# Altium PCB LKS_Motor_0313.PcbDoc
Units mil, origin at the board's own origin, x right, y up, seen from the top; angles counter-clockwise.
Board outline 4321.51 x 591.52 mil, 2 copper layers (Top Layer, Bottom Layer); 107 components, 73 nets, 326 pads, 191 vias.
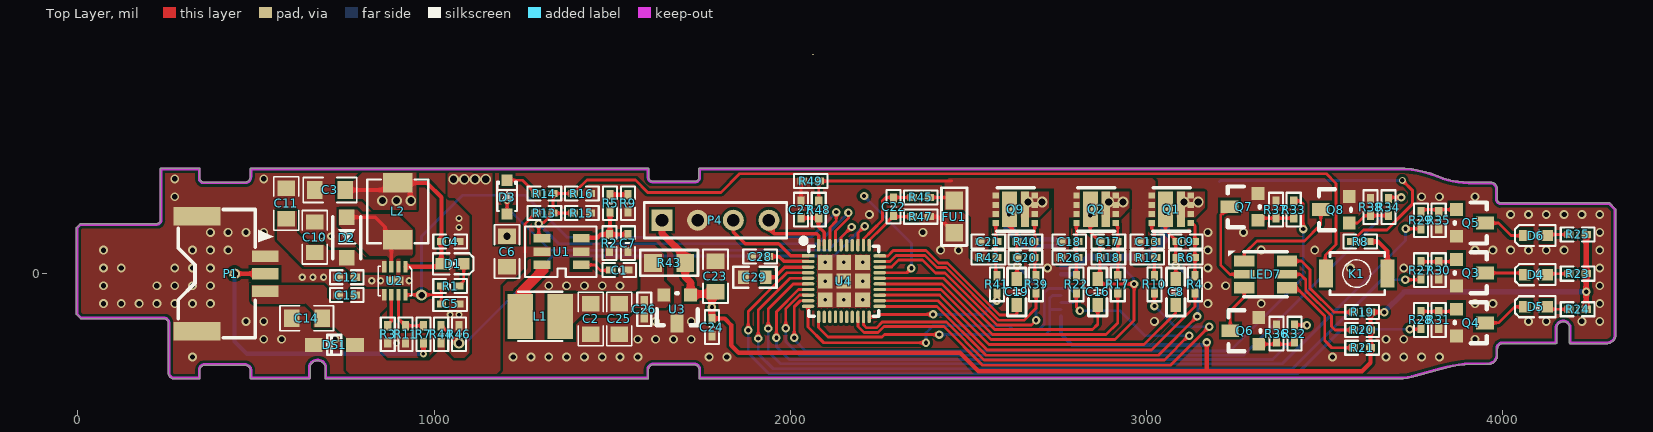
[diagram p0: Top Layer view]
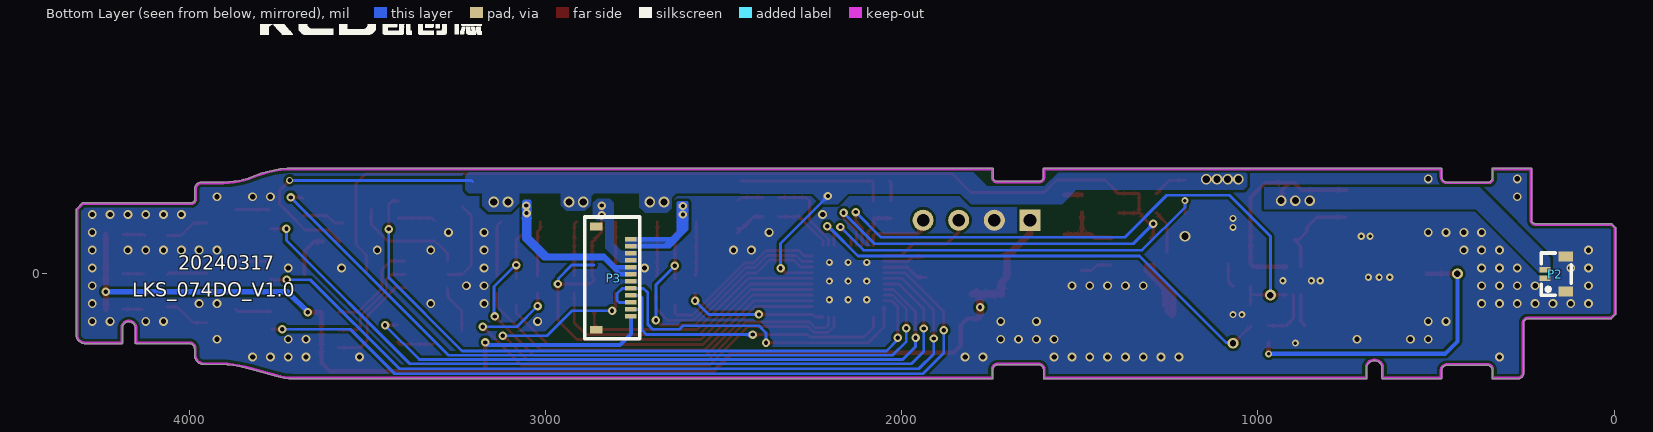
[diagram p1: Bottom Layer view, seen from below]
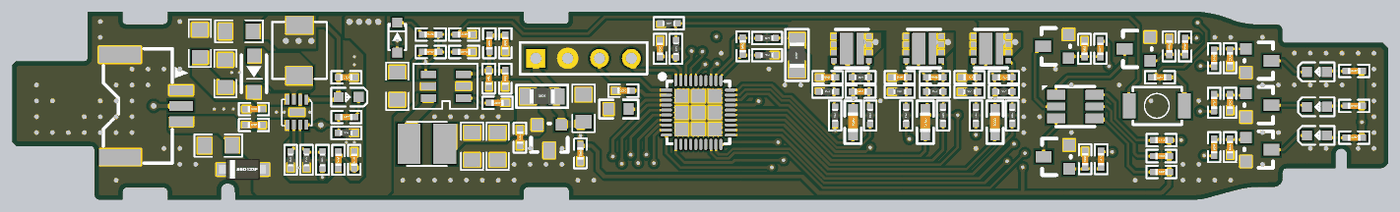
[diagram p2: 3D render of the assembled board from above, using the file's embedded part models]

## Layer stack, top to bottom
Top Solder: solder mask 0.4, Solder Resist, Dk 3.5
Top Layer: signal copper 1.4
Dielectric1: core 12.6, FR-4, Dk 4.8
Bottom Layer: signal copper 1.4
Bottom Solder: solder mask 0.4, Solder Resist, Dk 3.5

## Board outline
340.79,-295.23 ccw(c340.79,-293.25) 342.78,-293.25 342.78,-270.05 cw(c355.82,-270.05) 355.82,-257.01 469.32,-257.01 cw(c469.32,-271.91) 484.23,-271.91 484.23,-293.25 ccw(c486.21,-293.25) 486.21,-295.23 649.96,-295.23 ccw(c649.96,-293.25) 651.94,-293.25 651.94,-259.1 cw(c672.98,-266.47) 694.02,-259.1 694.02,-293.25 ccw(c696,-293.25) 696,-295.23 1599.85,-295.23 ccw(c1599.85,-293.25) 1601.84,-293.25 1601.84,-269.29 cw(c1615.4,-269.32) 1615.37,-255.76 1730.9,-255.76 cw(c1730.9,-268.67) 1743.81,-268.67 1743.81,-293.3 ccw(c1745.79,-293.3) 1745.79,-295.29 3708.08,-295.29 ccw(c3708.08,-293.3) 3708.1,-295.29 ccw(c3706.34,-133.03) 3754.89,-287.86 3826.52,-268.29 ccw(c3826,-266.38) 3826.58,-268.27 cw(c3922.68,-590.85) 3892.14,-255.65 3955.05,-254.61 ccw(c3958.35,-227.78) 3985.04,-232.11 ccw(c3983.08,-231.79) 3985.06,-231.79 ccw(c3983.08,-231.79) 3985.06,-231.77 3985.06,-210.33 cw(c3999.33,-210.33) 3999.33,-196.07 4149.75,-196.07 ccw(c4149.75,-194.08) 4151.73,-194.08 4151.73,-148.89 cw(c4169.43,-153) 4187.14,-148.89 4187.14,-194.29 ccw(c4189.12,-194.29) 4189.12,-196.28 4293.89,-196.28 ccw(c4293.91,-194.29) 4294.1,-196.27 ccw(c4291.6,-169.92) 4317.01,-177.29 ccw(c4315.11,-176.74) 4317.09,-176.74 4317.09,180.13 ccw(c4315.11,180.13) 4316.5,181.55 4316.51,181.54 4300,198.05 4300.01,198.03 ccw(c4298.6,196.64) 4298.6,198.63 3994.41,198.63 cw(c3994.41,209.02) 3984.02,209.02 3984.02,238.48 ccw(c3965.86,238.48) 3965.86,256.65 3903.32,256.65 cw(c3910.73,520.73) 3833.14,268.19 ccw(c3692.04,-53.42) 3725.14,296.22 ccw(c3724.95,294.25) 3724.95,296.23 1744.96,296.23 ccw(c1744.96,294.25) 1742.97,294.25 1742.97,268.35 ccw(c1744.96,268.35) 1742.97,268.33 cw(c1733.77,268.35) 1733.79,259.15 cw(c1733.77,268.35) 1733.77,259.15 1614.77,259.15 cw(c1614.77,271.56) 1602.36,271.56 1602.36,294.14 ccw(c1600.38,294.14) 1600.38,296.13 485.79,296.13 ccw(c485.79,294.14) 483.81,294.14 483.81,271.08 cw(c469.79,271.08) 469.79,257.06 352.69,257.06 cw(c352.69,266.98) 342.78,266.98 342.78,294.25 ccw(c340.79,294.25) 340.79,296.23 233.92,296.23 ccw(c233.92,294.25) 231.94,294.25 231.94,150.5 cw(c221.84,150.5) 221.84,140.4 7.83,140.4 ccw(c7.83,138.41) 6.41,139.81 6.42,139.82 -3.84,129.56 -3.83,129.57 ccw(c-2.43,128.15) -4.42,128.15 -4.42,-112.73 ccw(c-2.43,-112.73) -3.84,-114.13 7.93,-125.9 ccw(c9.34,-124.5) 9.34,-126.48 241.97,-126.48 cw(c241.97,-138.74) 254.23,-138.74 254.23,-278.75 ccw(c270.72,-278.75) 270.72,-295.23

## Design rules (kind name [scope] priority, off if disabled: settings)
Clearance [All] p1: gap=5 ignorepadtopadclearanceinfootprint=TRUE except(8: Arc-Fill Arc-Poly Arc-Region Track-Fill Track-Poly Track-Region SMDPad-Fill SMDPad-Poly SMDPad-Region THPad-Fill THPad-Poly THPad-Region Via-Fill Via-Poly Via-Region Fill-Fill Fill-Poly Fill-Region Poly-Poly Poly-Region Region-Region)
ComponentClearance [All] p1 off: gap=10 collisioncheckmode=3 verticalgap=10 showdistances=FALSE
FabricationTestpoint [(IsPad And (OnTopLayer Or OnBottomLayer))] p1: side=3 testpointundercomponent=TRUE minsize=40 maxsize=100 preferedsize=60 minholesize=0 maxholesize=40 preferedholesize=32 testpointgrid=1 allowsidetop=TRUE allowsidebottom=TRUE usegrid=TRUE gridtolerance=0.01
HoleSize [All] p1: absolutevalues=TRUE maxlimit=200 minlimit=1 maxpercent=80.000 minpercent=20.000
HoleToHoleClearance [All] p1: gap=5 allowstackedmicrovias=TRUE
MinimumSolderMaskSliver [All] p1 off: minsoldermaskwidth=5
PlaneClearance [All] p1: clearance=7
PlaneConnect [All] p1: planeconnectstyle=Direct reliefexpansion=20 reliefentries=4 reliefconductorwidth=10 reliefairgap=10
PolygonConnect [All] p1: connectstyle=Direct reliefconductorwidth=10 reliefentries=4 polygonreliefangle="90 Angle" airgapwidth=10
RoutingVias [All] p1: holewidth=18 width=30 viastyle="Through Hole" minholewidth=11.81 minwidth=19.68 maxholewidth=39.37 maxwidth=78.74
SilkToSilkClearance [All] p1 off: silktosilkclearance=0
SilkToSolderMaskClearance SilkscreenOverComponentPads [IsPad] p1 off: minsilkscreentomaskgap=5 clearancetoexposedcopper=TRUE
SolderMaskExpansion [All] p1: expansion=4 istentingtop=FALSE
Width [All] p1: maxlimit=100 minlimit=5 preferedwidth=8
21 further rules are at their usual default settings.

## Components (designator, comment, footprint, x,y, rotation, side; value= is the part's Value field where it differs from the comment)
C1 "1uF/16V" "C 0402_M" 1520,10 r180 top
C2 "10uF/16V" 0805C 1440,-130 r90 top
C3 "22uF/25V" 0805C 705,235 r0 top
C4 "1uF/25V" "C 0402_M" 1045,90 r0 top
C5 "103" "R 0402_M" 1045,-85 r180 top
C6 "10uF/16V" 0805C 1205,65 r270 top
C7 "10pF/16V" "C 0402_M" 1544,86.06 r270 top
C8 "4.7uF/25V" "C 0603_M" 3081.87,-51.26 r270 top
C9 "1nF" "C 0402_M" 3110,90 r0 top
C10 "22uF/25V" 0805C 665,105 r270 top
C11 "22uF/25V" 0805C 585,200 r270 top
C12 "4.7uF/25V" "C 0402_M" 755,-10 r0 top
C13 "1nF" "C 0402_M" 3001.87,90 r0 top
C14 "22uF/25V" 0805C 640,-125 r0 top
C15 "1uF/25V" "C 0402_M" 755,-60 r0 top
C16 "4.7uF/25V" "C 0603_M" 2863,-51.26 r270 top
C17 "1nF" "C 0402_M" 2893,90 r0 top
C18 "1nF" "C 0402_M" 2783,90 r0 top
C19 "4.7uF/25V" "C 0603_M" 2636.06,-51.26 r270 top
C20 "1nF" "C 0402_M" 2660,45 r0 top
C21 "1nF" "C 0402_M" 2556,90 r0 top
C22 "NC" "C 0402_M" 2290,188.03 r90 top
C23 "10uF/10V" 0805C 1790,-4.55 r270 top
C24 "100nF" "C 0402_M" 1780,-150 r270 top
C25 "10uF/10V" 0805C 1520,-130 r90 top
C26 "100nF/10V" "C 0402_M" 1590,-100 r270 top
C27 "1nF/50V" "C 0402_M" 2030,180 r270 top
C28 "100nF/50V" "C 0402_M" 1915.11,48.03 r180 top
C29 "1uF/10V" 0603 1900,-10 r0 top
D1 "LED_R" 0603-LED 1055,25 r180 top
D2 "SS34" SOD123FL 755,110 r270 top
D3 "4148" SOD-323 1205,215 r270 top
D4 "LED_R" 0603-LED 4090,0 r0 top
D5 "LED_R" 0603-LED 4090,-90 r0 top
D6 "LED_R" 0603-LED 4090,110 r0 top
DS1 "SMF12CA-MS" SOD-123F 720,-200 r0 top
FU1 "0.05R" "R 0805_M" 2460,160 r90 top
K1 "K1" Button3x4x2 3590,0 r180 top locked
L1 "6.8uH" SMD3X3 1300,-130 r180 top
L2 "4.7uH" 0420-L 895,170 r270 top
LED7 "RGB3528" SMD3528-RGB 3340,0 r180 top
P1 "Header 3" X9827WRS-3P 430,5 r270 top locked
P2 "Header 2" CONN_SMD_2P_0.6 160,0 r90 bottom locked
P3 "Header 12" SMD-12 2760,-120 r90 bottom locked
P4 "Header 4" HDR1X4 1640,150 r0 top
Q1 "CJBM3020" DFN-3X3_8 3124,142.06 r90 top
Q2 "CJBM3020" DFN-3X3_8 2913,142.06 r90 top
Q3 "J3Y" SOT-23 3870,40 r270 top
Q4 "J3Y" SOT-23 3870,-100 r270 top
Q5 "J3Y" SOT-23 3870,180 r270 top
Q6 "J3Y" SOT-23 3315,-198 r90 top
Q7 "J3Y" SOT-23 3313,150 r90 top
Q8 "J3Y" SOT-23 3569,142 r90 top
Q9 "CJBM3020" DFN-3X3_8 2686,142.06 r90 top
R1 "4.7K" "C 0402_M" 1045,-35 r0 top
R2 "2.5M" "C 0402_M" 1492.44,86.06 r90 top
R3 "510" "R 0402_M" 870,-170 r270 top
R4 "10R" "R 0402_M" 3135.81,-30 r270 top
R5 "340K" "C 0402_M" 1494,197.56 r90 top
R6 "10K" "R 0402_M" 3110,45 r180 top
R7 "RS/NC" "R 0402_M" 970,-170 r90 top
R8 "200K" "C 0402_M" 3600,90 r180 top
R9 "0" "C 0402_M" 1544,197.56 r270 top
R10 "10R" "R 0402_M" 3021.87,-30 r270 top
R11 "RP/NC" "R 0402_M" 920,-170 r270 top
R12 "10K" "R 0402_M" 3001.87,45 r180 top
R13 "1.5M/NC" "C 0402_M" 1310,170 r0 top
R14 "1K" "C 0402_M" 1310,225 r0 top
R15 "100K" "C 0402_M" 1415,170 r180 top
R16 "100K" "C 0402_M" 1415,225 r0 top
R17 "10R" "R 0402_M" 2919.06,-30 r270 top
R18 "10K" "R 0402_M" 2893,45 r180 top
R19 "1K" "C 0402_M" 3604.87,-108 r0 top
R20 "1K" "C 0402_M" 3604.87,-158 r0 top
R21 "1K" "C 0402_M" 3604.87,-208 r0 top
R22 "10R" "R 0402_M" 2803,-30 r270 top
R23 "1K" "C 0402_M" 4210,0 r0 top
R24 "1K" "C 0402_M" 4210,-100 r0 top
R25 "1K" "C 0402_M" 4210,110 r0 top
R26 "10K" "R 0402_M" 2783,45 r180 top
R27 "10K" "C 0402_M" 3770,10 r270 top
R28 "10K" "C 0402_M" 3770,-130 r270 top
R29 "10K" "C 0402_M" 3770,150 r270 top
R30 "100K" "C 0402_M" 3820,10 r270 top
R31 "100K" "C 0402_M" 3820,-130 r270 top
R32 "10K" "C 0402_M" 3415,-168 r90 top
R33 "10K" "C 0402_M" 3413,180 r90 top
R34 "10K" "C 0402_M" 3679,187 r90 top
R35 "100K" "C 0402_M" 3820,150 r270 top
R36 "100K" "C 0402_M" 3365,-168 r90 top
R37 "100K" "C 0402_M" 3363,180 r90 top
R38 "100K" "C 0402_M" 3629,187 r90 top
R39 "10R" "R 0402_M" 2690,-30 r270 top
R40 "10K" "R 0402_M" 2660,90 r180 top
R41 "10R" "R 0402_M" 2580,-30 r270 top
R42 "10K" "R 0402_M" 2556,45 r180 top
R43 "0R/NC" "R 0805_M" 1660,30 r0 top
R44 "2M" "C 0402_M" 1020,-170 r90 top
R45 "1K1%" "R 0402_M" 2366.06,213.94 r180 top
R46 "470K" "C 0402_M" 1070,-170 r90 top
R47 "1K1%" "R 0402_M" 2366.06,160 r180 top
R48 "1K" "R 0402_M" 2080,180 r270 top
R49 "10R" "R 0402_M" 2057.56,260 r180 top
U1 "CS5503R" SOT23-6L 1360,60 r180 top
U2 "CS5090EL" DFN2X2_8_0.5 890,-20 r180 top
U3 "CJ6376A33MY" SOT-23 1720,-60 r180 top
U4 "LKS32MC074DOF8Q8" QFN40 2150,-20 r0 top

## Footprints (in the part's own frame and the unit in brackets; to place one, negate y for a bottom-side part, rotate by r counter-clockwise, add the part's x,y. Pads: shape width x height; smd on the part's side, far side on the other; paste and mask are expansions set on the pad)
0420-L [mm]
  rect 1.4x2.12 smd: 1(1.901,0.076) 2(-2.155,0.076)
  silkscreen extent -2.4,-2.1 2.15,2.25
0603 [mm]
  rect 0.8x0.955 smd: 1(-0.795,0) 2(0.795,0)
  silkscreen extent -1.53,-0.75 1.56,0.75
0603-LED [mm]
  rect 0.8x0.8 smd: 1(0.876,-0.073) 2(-0.723,-0.08)
  silkscreen extent -1.41,-0.82 1.47,0.68
0805C [mm]
  rect 1.1x1.27 smd: 1(-1.016,0) 2(1.159,0)
  silkscreen extent -1.83,-0.89 1.98,0.89
Button3x4x2 [mm]
  rect 1x2 smd: 1(-2.2,0) 2(2.2,0)
  silkscreen extent -2,-1.5 1.9,1.5
"C 0402_M" [mil] "无极性贴片电容"
  rect 26x20 smd: 1(-24,0) 2(24,0)
  silkscreen extent -47,-20 47,20, body extent -20,-10 20,10, height 21
"C 0603_M" [mil] "无极性贴片电容"
  rect 40x30 smd: 1(-36.5,0) 2(36.5,0)
  silkscreen extent -68,-26 68,26, body extent -31,-16 31,16, height 32
CONN_SMD_2P_0.6 [mm]
  rect 0.4x0.8 smd: 1(-0.324,0.871) 2(0.276,0.871)
  rect 0.7x1.05 smd: 3(1.226,-0.604) 4(-1.274,-0.604)
  silkscreen extent -1.52,-1.01 1.48,1.15
DFN2X2_8_0.5 [mm]
  rect 0.3x0.8 smd: 1(-0.75,-1) 2(-0.25,-1) 3(0.25,-1) 4(0.75,-1) 5(0.75,1) 6(0.25,1) 7(-0.25,1) 8(-0.75,1)
  rect 1.2x0.6 smd: 9(0,0)
  silkscreen extent -1.19,-1.02 1.2,1.08
DFN-3X3_8 [mil]
  rect 17x18 smd: 1(0,0) 2(25.59,0) 3(51.18,0) 4(76.77,0) 5(76.77,109.58) 6(51.18,109.58) 7(25.59,109.58) 8(0,109.58)
  rect 100x23 smd: 9(38.33,27.5)
  rect 100x42 smd: 10(38.33,70.83)
  silkscreen extent -23,2 99,106
HDR1X4 [mm] "Connector; Header; 4 Position"
  rect 1.5x1.5 hole 0.9: 1(0,0)
  round 1.5 hole 0.9: 2(2.54,0) 3(5.08,0) 4(7.62,0)
  silkscreen extent -1.27,-1.27 8.89,1.27
QFN40 [mm]
  rect 1.05x1.05 smd: 0(-1.32,-1.352) 0(-1.32,1.308) 0(-1.32,-0.022) 0(0.01,-0.022) 0(0.01,-1.352) 0(0.01,1.308) 0(1.34,-1.352) 0(1.34,-0.022) 0(1.34,1.308)
  rect 0.9x0.24 smd: 1(-2.54,1.778)
  oval 0.9x0.24 smd: 2(-2.54,1.378) 3(-2.54,0.978) 4(-2.54,0.578) 5(-2.54,0.178) 6(-2.54,-0.222) 7(-2.54,-0.622) 8(-2.54,-1.022) 9(-2.54,-1.422) 10(-2.54,-1.822) 21(2.56,-1.822) 22(2.56,-1.422) 23(2.56,-1.022) 24(2.56,-0.622) 25(2.56,-0.222) 26(2.56,0.178) 27(2.56,0.578) 28(2.56,0.978) 29(2.56,1.378) 30(2.56,1.778)
  oval 0.24x0.9 smd: 11(-1.79,-2.572) 12(-1.39,-2.572) 13(-0.99,-2.572) 14(-0.59,-2.572) 15(-0.19,-2.572) 16(0.21,-2.572) 17(0.61,-2.572) 18(1.01,-2.572) 19(1.41,-2.572) 20(1.81,-2.572) 31(1.81,2.528) 32(1.41,2.528) 33(1.01,2.528) 34(0.61,2.528) 35(0.21,2.528) 36(-0.19,2.528) 37(-0.59,2.528) 38(-0.99,2.528) 39(-1.39,2.528) 40(-1.79,2.528)
  silkscreen extent -2.98,-2.52 2.51,2.97
"R 0402_M" [mil] "1/16W贴片电阻"
  rect 26x20 smd: 1(-24,0) 2(24,0)
  silkscreen extent -47,-20 47,20, body extent -20,-10 20,10, height 12
"R 0805_M" [mil] "1/8W贴片电阻"
  rect 50x50 smd: 1(-45,0) 2(45,0)
  silkscreen extent -81,-36 81,36, body extent -39,-25 39,25, height 20
SMD3X3 [mil]
  rect 71.81x126.77 smd: 1(58.22,-10) 2(-54.22,-10)
  silkscreen extent -60,-79 64,59
SMD3528-RGB [mm]
  rect 1.45x0.8 smd: 1(1.677,-0.899) 3(1.677,1.001) 4(-1.373,1.001) 6(-1.373,-0.899)
  rect 1.45x0.6 smd: 2(1.677,0.051) 5(-1.373,0.051)
  silkscreen extent -1.4,-1.65 2.8,1.65
SMD-12 [mil]
  rect 22x36 smd: 0(252.38,97.5) 0/2(-37.62,97.5)
  rect 13x32 smd: 1(216.53,0) 2(196.85,0) 3(177.17,0) 4(157.48,0) 5(137.79,0) 6(118.11,0) 7(98.42,0) 8(78.74,0) 9(59.05,0) 10(39.37,0) 11(19.69,0) 12(0,0)
  silkscreen extent -62,-25 279,130
SOD123FL [mm]
  rect 1.1x1.1 smd: 1(-1.228,-0.006) 2(1.673,-0.006)
  silkscreen extent -1.28,-1.01 1.72,0.99
SOD-123F [mm]
  rect 1.25x1 smd: 1(1.475,0) 2(-1.475,0)
  silkscreen extent -0.5,-0.7 0.5,0.7, body extent -1.9,-0.85 1.85,0.85, height 1.2
SOD-323 [mm]
  rect 0.8x0.8 smd: 1(1.2,0) 2(-1.2,0)
  silkscreen extent -1.1,-0.7 1,0.7
SOT23-6L [mm]
  rect 1.2x0.6 smd: 1(-1.349,0.899) 2(-1.349,-0.051) 3(-1.349,-1.001) 4(1.451,-1.001) 5(1.451,-0.051) 6(1.451,0.899)
  silkscreen extent -2.45,-1.85 2.65,1.75
SOT-23 [mil]
  rect 36x36 smd: 1(0,0) 2(75,0)
  rect 36x50 smd: 3(38,80)
  silkscreen extent -20,-5 95,85
X9827WRS-3P [mm]
  rect 0.8x1.9 smd: 1(-1.123,2.438) 2(0.127,2.438) 3(1.377,2.438)
  rect 1.3x3.35 smd: 4(4.227,-2.438) 5(-3.973,-2.438)
  silkscreen extent -4.45,-3.76 4.7,3.04

## Part data
C1 C4 C24: library part CAP
C2 C3 C5 C6 C7 C8 C9 C10 C11 C12 C13 C14 C15 C16 C17 C18 C19 C20 C21 C22 C23 C25 C26: library part CAP, "Capacitor"
C27 C28 C29: library part C, "Capacitor"
D1 D4 D5 D6: library part LED
D2 D3: library part Diode, "Default Diode", PackageDocument=Sep-1996, Code_JEDEC=DO-214-AB, LatestRevisionDate=17-Jul-2002, LatestRevisionNote="Re-released for DXP Platform.", PackageReference=SMC, Published=8-Jun-2000, Publisher="Altium Limited"
DS1: library part DIODE-3, "12V/19.9V"
FU1 R4 R6 R10 R12 R17 R18 R22 R26 R39 R40 R41 R42 R45 R47 R48 R49: library part RAS
L1 L2: library part Inductor, "Inductor", Code_IEC=1005, Code_JEITA=0402, LatestRevisionDate=17-Jul-2002, LatestRevisionNote="Re-released for DXP Platform.", PackageReference=0402-A, Published=8-Jun-2000, Publisher="Altium Limited"
LED7: library part RGB5050
P1: "Header, 3-Pin", LatestRevisionDate=17-Jul-2002, LatestRevisionNote="Re-released for DXP Platform.", Publisher="Altium Limited"
P2: "Header, 2-Pin", LatestRevisionDate=17-Jul-2002, LatestRevisionNote="Re-released for DXP Platform.", Publisher="Altium Limited"
P3: "Header, 12-Pin", LatestRevisionDate=17-Jul-2002, LatestRevisionNote="Re-released for DXP Platform.", Publisher="Altium Limited"
P4: "Header, 4-Pin", LatestRevisionDate=17-Jul-2002, LatestRevisionNote="Re-released for DXP Platform.", Publisher="Altium Limited"
Q3 Q4 Q5 Q6 Q7 Q8: library part NPN, "NPN Transistor"
R1 R2 R3 R5 R7 R8 R9 R11 R13 R14 R15 R16 R19 R20 R21 R23 R24 R25 R27 R28 R29 R30 R31 R32 R33 R34 R35 R36 R37 R38 R43 R44 R46: library part RES2_S
U3: library part 78L15
U4: library part LKS32MC074DF8Q8, "芯片"
Q1 Q2 Q9: PCB DECAL=DFN-3X3_8

## Via types
v1: diameter 25, hole 15, Top Layer to Bottom Layer, tented both sides, 107 vias
v2: diameter 23.62, hole 11.81, Top Layer to Bottom Layer, tented both sides, 42 vias
v3: diameter 20, hole 10, Top Layer to Bottom Layer, tented both sides, 24 vias
v4: diameter 30, hole 20, Top Layer to Bottom Layer, tented both sides, 14 vias
v5: diameter 30, hole 18, Top Layer to Bottom Layer, tented both sides, 3 vias
v6: diameter 20, hole 11.81, Top Layer to Bottom Layer, tented both sides, 1 vias

## Nets (pads, with @x,y where several pads share a name; then routed paths per layer and width w, separated by ;. In a path a pad name is that pad's centre, name@x,y a point inside that pad or via, vN(x,y) a via of type N, cw(c..) or ccw(c..) an arc to the next point about the centre after c; other vN are vias at no path point)
1ST: R29.2 U4.6 | length 2273.9
  Top Layer w7.87: v2(1938,-154) 1938,-99 2008.26,-28.74 U4.6 ; v2@3736,126 R29.2
  Bottom Layer w7.87: v2(1938,-154) 1938,-218 1973,-253 3381,-253 3727,93 v2(3727,126)
2ND: R27.2 U4.5 | length 2282.1
  Top Layer w7.87: v2(1910,-182) 1910,-102 1999.01,-12.99 U4.5 ; v2(3726,-17) 3767,-17 R27.2
  Bottom Layer w7.87: v2(1910,-182) 1910,-225 1952,-267 3410,-267 3660,-17 v2(3726,-17)
3.3V: C23.2 C24.1 P3.12 P4.1 R19.2 R20.2 R21.2 R23.2 R24.2 R25.2 R43.2 U3.1 | length 3893.6
  Top Layer w11.81: C24.1 1816,-126 1834,-144 1834,-201 1855,-222 1878,-222 ; 1858,-222 1878,-222 ; v2(3169,-193) 3169,-273 3170,-274 ; v2(3667,-108) R19.2 R20.2 R21.2 3628.87,-250.13 3605,-274 3170,-274 ; 1878,-222 2476,-222 2528,-274 3170,-274
  Top Layer w15.75: R24.2 v2(4234,-51) R23.2 R25.2
  Top Layer w19.68: P4.1 1640,113 1705,48 R43.2 1705,-9 1720,-24 U3.1 ; U3.1@1732,-57 C23.2@1803,-57 ; C24.1@1780,-116 v2(1780,-94) 1780,-60.18 C23.2
  Bottom Layer w11.81: P3.12 2760,-169 2791,-200 3162,-200 v2(3169,-193)
  Bottom Layer w15.75: v2(3667,-108) 3724,-51 v2(4234,-51)
3RD: R28.2 U4.4 | length 2292.1
  Top Layer w7.87: v2(1882,-159) 1882,-106 1950.26,-37.74 1950.75,-37.74 1955.98,-32.5 1955.98,-32.02 1990.76,2.76 U4.4 ; v2(3739,-156) R28.2@3768,-156
  Bottom Layer w7.87: v2(1882,-159) 1882,-223 1940,-281 3423,-281 3548,-156 v2(3739,-156)
BAT_ADC: R44.2 R46.1 U4.33 | length 1409.2
  Top Layer w7.87: R44.2 1020,-149 1026.06,-155.06 1029.06,-155.06 v5@1058.94,-184.94 ; 2189.76,104.76 U4.33 2189.76,113.76 v2(2209,133)
  Bottom Layer w7.87: v5(1070,-195) 1072.18,-192.82 1089.98,-192.82 1332.8,50 2123,50 2197.68,124.68 ; v2@2203.56,130.56 v2@2207.5,134.5
BLUE: R32.2 U4.7 | length 1790.6
  Top Layer w7.87: v2(1961,-180) 1961,-107 2023.51,-44.49 U4.7 ; R32.2 v2@3449,-144
  Bottom Layer w7.87: v2(1961,-180) 1961,-205 1997,-241 3354,-241 v2(3450,-145)
BUTTON: K1.2 R13.2 R14.2 R15.2 R16.1 U1.4 U4.37 | length 3783.6
  Top Layer w7.87: U1.4 1301.87,99.4 1294,107.28 v2(1294,140) 1297.01,143.01 1307.01,143.01 1324.94,160.94 1324.94,163.94 1331,170 R13.2 ; R15.2 R13.2 ; U4.37 2126.77,101 ; 2126.77,111.77 2126.77,101 ; v2(2163,171) 2163,156 2126.77,119.77 2126.77,101 ; K1.2@3502,1.39 3502,52 3532,82 3532,253.03 3504.69,280.34 1857.34,280.34 1805,228 1600,228 1565,263 1429,263 1400.06,234.06 1400.06,231.06 1394,225 R16.1 R14.2 R13.2
  Bottom Layer w7.87: v2(1294,140) 1350,84 2076,84 v2(2163,171)
CH_STAT: C5.2 R1.1 U2.8 U4.38 | length 1726.6
  Top Layer w7.87: U2.8 1020.37,-59.37 1021,-60 ; C5.2 1021,-60 ; R1.1 1021,-60 ; U4.38 2111.02,99 ; 2111.02,118.02 2111.02,99 ; v2(2129,173) 2129,148 2111.02,130.02 2111.02,99
  Bottom Layer w7.87: v5(965,-60) 965,105 1080,220 1256,220 1374,102 2058,102 v2(2129,173)
DCDC_5V: C2.2 C7.2 C25.2 C26.1 L1.2 R2.1 R43.1 U3.2
DCDC_EN: D3.1 U4.36 | length 1163.6
  Top Layer w7.87: D3.1 v3(1205,205) ; U4.36 2142.52,101.52 v2(2172,131)
  Bottom Layer w7.87: v3(1205,205) 1205,186 1325,66 2107,66 v2(2172,131)
GND: C1.1 C2.1 C3.1 C4.2 C5.1 C6.1 C10.1 C11.1 C12.1 C14.1 C15.1 C23.1 C24.2 C25.1 C26.2 C27.1 C28.2 C29.1 DS1.2 FU1.1 P1.1 P1.4 P1.5 P2.1 P2.3 P2.4 P3.7 P4.2 Q3.2 Q4.2 Q5.2 Q6.2 Q7.2 Q8.2 R3.2 R9.2 R11.2 R15.1 R16.2 R30.2 R31.2 R35.2 R36.2 R37.2 R38.2 R46.2 R47.1 R49.2 U1.2 U2.2 U2.9 U3.3 U4.0 | length 187.1
  Top Layer w9.45: C27.1 2030,256.44 R49.2 ; R47.1 2415,160 FU1.1 ; FU1.1@2441.52,133.48 ccw(c2460,151.97) 2460,125.83 cw(c2460,151.97) FU1.1@2441.52,133.48
  other v1: 322.04,-234.01 1222.04,-234.01 1272.04,-234.01 1322.04,-234.01 1372.04,-234.01 1422.04,-234.01 1472.04,-234.01 1522.04,-234.01 1572.04,-234.01 1772.04,-234.01 1822.04,-234.01 3522.04,-234.01 3672.04,-234.01 3722.04,-234.01 3772.04,-234.01 3822.04,-234.01 522.04,-184.01 572.04,-184.01 722.04,-184.01 1572.04,-184.01 1622.04,-184.01 1672.04,-184.01 1722.04,-184.01 3672.04,-184.01 3722.04,-184.01 3922.04,-184.01 472.04,-134.01 522.04,-134.01 1622.04,-134.01 1722.04,-134.01 3022.04,-134.01 4072.04,-134.01 4122.04,-134.01 4222.04,-134.01 4272.04,-134.01 72.04,-84.01 122.04,-84.01 172.04,-84.01 222.04,-84.01 272.04,-84.01 322.04,-84.01 372.04,-84.01 3172.04,-84.01 3322.04,-84.01 3922.04,-84.01 3972.04,-84.01 4272.04,-84.01 72.04,-34.01 222.04,-34.01 272.04,-34.01 322.04,-34.01 372.04,-34.01 1322.04,-34.01 1372.04,-34.01 1422.04,-34.01 1472.04,-34.01 1522.04,-34.01 3172.04,-34.01 3222.04,-34.01 4272.04,-34.01 72.04,15.99 122.04,15.99 272.04,15.99 322.04,15.99 372.04,15.99 2722.04,15.99 3172.04,15.99 3572.04,15.99 3722.04,15.99 4272.04,15.99 72.04,65.99 322.04,65.99 372.04,65.99 422.04,65.99 2422.04,65.99 2472.04,65.99 3172.04,65.99 3322.04,65.99 3472.04,65.99 3922.04,65.99 3972.04,65.99 4022.04,65.99 4072.04,65.99 4122.04,65.99 4172.04,65.99 4272.04,65.99 372.04,115.99 422.04,115.99 472.04,115.99 522.04,115.99 2372.04,115.99 3172.04,115.99 3272.04,115.99 4272.04,115.99 2222.04,165.99 4022.04,165.99 4072.04,165.99 4122.04,165.99 4172.04,165.99 4222.04,165.99 4272.04,165.99 272.04,215.99 3772.04,215.99 3822.04,215.99 3922.04,215.99 272.04,265.99 522.04,265.99
  other v3: 895,-195 1045,-115 1070,-115 2098.03,-73.23 2150.39,-73.23 2202.76,-73.23 2098.03,-20.87 2150.39,-20.87 2202.76,-20.87 825,-20 850,-20 930,-20 630,-10 660,-10 690,-10 2098.03,31.5 2150.39,31.5 2202.76,31.5 685,105 710,105 1070,130 1070,155
  other v4: 1205,105
GREEN: R34.2 U4.8 | length 2134.9
  Top Layer w7.87: v2(1987,-153) 1987,-99 2025.76,-60.24 U4.8 ; R34.2 3682,214 v2(3715,214)
  Bottom Layer w7.87: v2(1987,-153) 1987,-190 2026,-229 3272,-229 v2(3715,214)
HO1: R39.2 U4.29 | length 578.6
  Top Layer w7.87: U4.29 2280.25,34.25 2297,51 2378,51 2411.89,17.11 2436.89,17.11 2585,-131 2656,-131 2690,-97 R39.2
HO2: R17.2 U4.25 | length 824.8
  Top Layer w7.87: U4.25 2425.74,-28.74 2568,-171 2886,-171 2919.06,-137.94 R17.2
HO3: R4.2 U4.22 | length 1030.8
  Top Layer w7.87: U4.22 2414.98,-75.98 2553,-214 3014,-214 3135.81,-92.19 R4.2
LH_OUT_01: P3.8 P3.10 U4.10 | length 1032
  Top Layer w7.87: U4.10 2050,-150 2094,-194 v2(2381,-194)
  Bottom Layer w7.87: v2(2381,-194) 2381,-166 2401,-146 2614,-146 2624,-156 2699,-156 2713,-142 2713,-53 2724.74,-41.26 P3.8 2784.26,-41.26 2799,-56 2799,-75 2793.37,-80.63 P3.10
LH_OUT_02: P3.9 P3.11 U4.11 | length 856.9
  Top Layer w7.87: U4.11 2079.53,-151.26 2106.27,-178 2257,-178 2264,-171 v2(2418,-171)
  Bottom Layer w7.87: v2(2418,-171) 2717,-171 2728,-160 2728,-104 ; P3.11 2731.68,-100.31 2728,-104 ; P3.9 2736.05,-60.95 2728,-69 2728,-104
LO1: R41.2 U4.20 | length 399.5
  Top Layer w7.87: U4.20 2242,-121.26 2249,-114.26 v2(2400.74,-114.26) ; v2(2580,-76) R41.2
  Bottom Layer w7.87: v2(2400.74,-114.26) 2541.74,-114.26 v2(2580,-76)
LO2: R22.2 U4.19 | length 1409.1
  Top Layer w7.87: U4.19 2205.51,-143.51 2214,-152 2242,-152 2258,-136 2438,-136 2544,-242 3050,-242 3118,-174 v2(3120,-174) ; R22.2 2803,-94 v2(2813,-104)
  Bottom Layer w7.87: v2(2813,-104) 2925,-104 2995,-174 v2(3120,-174)
LO3: R10.2 U4.18 | length 1331.7
  Top Layer w7.87: U4.18 2189.76,-147.76 2207,-165 2246,-165 2263,-148 2431,-148 2540,-257 3067,-257 3175,-149 v2(3176,-149) ; v2@3021.87,-90.87 R10.2
  Bottom Layer w7.87: v2(3022,-91) 3080,-149 v2(3176,-149)
NetC1_2: C1.2 U1.1 | length 89.8
  Top Layer w7.87: U1.1 1451.4,24.6 1467,9 1495,9 C1.2
NetC7_1: C7.1 R2.2 R5.1 U1.3 | length 210.3
  Top Layer w11.81: U1.3 1414.72,101 1444,101 ; R2.2@1494,110 R5.1@1494,172 ; C7.1@1543,110 1520,110 1467,110 1458,101 ; 1444,101 1458,101 ; 1444,101 1458,101
NetC9_2: C9.2 Q1.1 R4.1 R6.1 | length 156.9
  Top Layer w7.87: Q1.1@3124,146 3135.81,134.19 R4.1
NetC10_2: C10.2 C11.2 C12.2 D2.2 U2.4
NetC13_2: C13.2 Q1.8 R10.1 R12.1 | length 155.1
  Top Layer w7.87: Q1.8@3014.42,146 3014.42,125.58 3021.87,118.13 3021.87,90 R10.1
NetC17_2: C17.2 Q2.1 R17.1 R18.1 | length 154.5
  Top Layer w7.87: Q2.1@2913,146 2919.06,139.94 R17.1
NetC18_2: C18.2 Q2.8 R22.1 R26.1 | length 152.2
  Top Layer w7.87: R22.1 2803,90 2803,145.58 Q2.8@2803.42,146
NetC20_2: C20.2 Q9.1 R39.1 R40.1 | length 152.7
  Top Layer w7.87: Q9.1@2686,145 2686,-2 R39.1
NetC21_2: C21.2 Q9.8 R41.1 R42.1 | length 151
  Top Layer w7.87: R41.1@2576.42,-2.42 Q9.8@2576.42,145 ; R41.1 R41.1@2580,-2.42
NetC28_1: C28.1 U4.2 | length 116.6
  Top Layer w9.84: C28.1 1968.97,48.03 1982.75,34.25 U4.2
NetC29_2: C29.2 U4.3 | length 130.5
  Top Layer w7.87: C29.2 C29.2@1945,-10
  Top Layer w9.84: C29.2@1945,-10 1956,-10 1984.5,18.5 U4.3
NetD1_2: D1.2 R1.2 | length 70.9
  Top Layer w7.87: R1.2 1072,-35 1078.06,-28.94 1078.06,-25.94 1083.47,-20.53 D1.2
NetD2_1: D2.1 L2.1 U2.3 | length 260
  Top Layer w10: D2.1 834.81,158.35 862.75,130.41 862.75,117.72 885.31,95.16 L2.1 880.16,77.32 U2.3
NetD3_2: D3.2 R14.1 | length 98.2
  Top Layer w7.87: D3.2 1248.76,262.24 1276.94,234.06 1276.94,231.06 1283,225 R14.1
NetD4_1: D4.1 R23.1 | length 58.7
  Top Layer w7.87: D4.1@4127.34,0 R23.1
NetD4_2: D4.2 Q3.3 | length 113.7
  Top Layer w7.87: Q3.3 4056.39,2 D4.2
NetD5_1: D5.1 R24.1 | length 54.4
  Top Layer w7.87: D5.1@4131.61,-100 R24.1
NetD5_2: D5.2 Q4.3 | length 130.1
  Top Layer w7.87: Q4.3 3988,-138 4032.86,-93.13 D5.2
NetD6_1: D6.1 R25.1 | length 62.7
  Top Layer w7.87: D6.1 4127.34,110 R25.1
NetD6_2: D6.2 Q5.3 | length 126.1
  Top Layer w7.87: Q5.3 3988,142 4023.14,106.87 D6.2
NetK1_1: K1.1 R8.1 | length 127
  Top Layer w11.81: R8.1 3650,90 3676.61,63.39 K1.1
NetL1_1: L1.1 U1.6 | length 675
  Top Layer w11.81: 1256,-54 1256,-52 1272,-36 ; L1.1@1263,-88.78 1263,-35 ; U1.6@1294,25.72 1294,9 ; U1.6 1302.88,4.88 1294,-4 ; U1.6@1314,23.48 1314,6 1272,-36 ; 1250.5,-34.5 1241.78,-43.22 1241.78,-110 1241.78,-56.22 1256,-42 ; 1250.5,-34.5 1294,9 ; 1250.5,-34.5 1234,-51 1234,-112.22 L1.1 1256,-105.78 1256,-42 ; 1256,-42 1263,-35 ; 1263,-35 1272,-26 ; 1272,-36 1272,-26 ; 1272,-26 1294,-4 ; 1294,-4 1294,9
NetLED7_1: LED7.1 Q8.3 | length 311.6
  Top Layer w7.87: LED7.1 3273.96,55.96 3310,92 3443,92 3489,138 Q8.3
NetLED7_2: LED7.2 Q7.3 | length 251.1
  Top Layer w7.87: Q7.3 3208,163 3208,24 3234,-2 LED7.2
NetLED7_3: LED7.3 Q6.3 | length 136.7
  Top Layer w7.87: Q6.3 3235,-105 3273.96,-66.04 LED7.3
NetLED7_4: LED7.4 R21.1 | length 297.1
  Top Layer w7.87: LED7.4 3420.4,-39.4 3500,-119 3500,-188 3520,-208 R21.1
NetLED7_5: LED7.5 R20.1 | length 286
  Top Layer w7.87: LED7.5 3432,-2 3447,-17 3447,-47 3519,-119 3519,-148 3529,-158 R20.1
NetLED7_6: LED7.6 R19.1 | length 276.7
  Top Layer w7.87: LED7.6 3434.6,35.4 3459,11 3459,-41 3526,-108 R19.1
NetP1_2: P1.2 R7.1 | length 851.5
  Top Layer w11.81: v5(440,0) P1.2 ; v3(970,-225) R7.1
  Bottom Layer w11.81: v5(440,0) 440,-190 475,-225 v3(970,-225)
NetQ3_1: Q3.1 R27.1 R30.1 | length 102.5
  Top Layer w7.87: R27.1 3864,34 Q3.1
NetQ4_1: Q4.1 R28.1 R31.1 | length 102.5
  Top Layer w7.87: R28.1 3864,-106 Q4.1
NetQ5_1: Q5.1 R29.1 R35.1 | length 94
  Top Layer w7.87: R29.1@3776,180 Q5.1
NetQ6_1: Q6.1 R32.1 R36.1 | length 102.5
  Top Layer w7.87: Q6.1 3409,-198 R32.1
NetQ7_1: Q7.1 R33.1 R37.1 | length 102.5
  Top Layer w7.87: Q7.1 3319,156 R33.1
NetQ8_1: Q8.1 R34.1 R38.1 | length 118.7
  Top Layer w7.87: Q8.1 3592,142 3613,163 R34.1
NetR3_1: R3.1 U2.6 | length 90.8
  Top Layer w10: R3.1 870,-143 880.16,-132.84 U2.6
NetR5_2: R5.2 R9.1 | length 50
  Top Layer w11.81: R5.2 R9.1
NetR7_2: R7.2 R11.1 U2.7 | length 146.7
  Top Layer w7.87: U2.7 899.84,-125.84 910.94,-136.94 913.94,-136.94 920,-143 R11.1 R7.2
OC: C27.2 R48.2 U4.39 | length 133.2
  Top Layer w9.45: C27.2 R48.2 ; R48.2@2079,156 2079,132 2095.28,115.72 2095.28,103 U4.39
OPA0_IN: C22.1 R47.2 U4.31 | length 185.2
  Top Layer w7.87: U4.31 2221.26,93.26 2258.5,130.5 ; 2270,142 2258.5,130.5 ; C22.1@2290,160 R47.2@2346,160 ; C22.1 2290,162 2258.5,130.5
OPA0_IP: C22.2 R45.2 U4.32 | length 256.7
  Top Layer w7.87: U4.32 2205.51,97.51 2230,122 ; 2238,130 2230,122 ; 2264,210 2259,205 ; R45.2@2346,213.94 2267.94,213.94 2259,205 ; 2230,122 2259,151 2259,205
PGND: C13.1 C18.1 C21.1 FU1.2 Q1.5 Q1.6 Q1.7 Q2.5 Q2.6 Q2.7 Q9.5 Q9.6 Q9.7 R12.2 R26.2 R42.2 R45.1 R48.1 R49.1 | length 501.1
  Top Layer w8: R48.1 2080,258.44 R49.1 2451,260 2452,261 ; R45.1 2451.06,213.94 FU1.2
RED: R33.2 U4.9 | length 1902.4
  Top Layer w7.87: v2(2011,-180) 2011,-93 2028.02,-75.98 U4.9
  Top Layer w8: R33.2 3431,204 3440,195 v2(3440,125)
  Bottom Layer w7.87: v2(2011,-180) 2011,-185 2043,-217 3234,-217 3440,-11 v2(3440,125)
SWCLK: P4.4 U4.40 | length 208
  Top Layer w9.45: P4.4@1940,160 1940,128 1940,127 1955,112 2074,112 2079.53,106.47 U4.40
SWDIO: P4.3 U4.1 | length 280.8
  Top Layer w9.45: P4.3@1840,160 1840,117 1873,84 1967,84 2001,50 U4.1
U: C19.1 C20.1 P3.1 P3.2 Q9.10 R40.2 U4.28 | length 1607.7
  Top Layer w7.87: U4.28 2284.5,18.5 2304,38 2371,38 2407.5,1.5 2434.5,1.5 2580,-144 2677,-144 v2(2690,-131) ; Q9.10@2615.17,183.33 2615.17,132.83 2636.06,111.94 R40.2 C19.1
  Bottom Layer w7.87: v2(2637,22) 2690,-31 v2(2690,-131)
  Bottom Layer w11.81: v2(2614,190) 2614,128 2645.47,96.53 ; v2@2618,198 2618,124 2625.67,116.33 ; 2632.68,109.32 2626,116 2626,198 2604,198 2604,125 2652.15,76.85 P3.2 ; 2667,76.85 2665.15,76.85 2645.47,96.53 ; P3.1 2645.47,96.53
  other v2: 2614,166
V: C16.1 C17.1 P3.3 P3.4 Q2.10 R18.2 U4.24 | length 1358.9
  Top Layer w7.87: U4.24 2422.49,-44.49 2563,-185 2911,-185 2965,-131 v2(2965,-29) 2874.06,-29 2863,-17.94 C16.1 2869,-8.76 R18.2 C17.1 2866,90 2859.94,96.06 2859.94,99.06 2842,117 v2(2842,191)
  Bottom Layer w7.87: 2864,24 2926,24 2963.17,-13.17 2963.17,-27.17 v2(2965,-29)
  other v2: 2842,164
VB1: C19.2 U4.30 | length 491.7
  Top Layer w7.87: U4.30 2274,50 2289,65 2381,65 2416.01,29.99 2441.01,29.99 2587,-116 2631,-116 2636.06,-110.94 C19.2
VB2: C16.2 U4.26 | length 716.6
  Top Layer w7.87: U4.26 2429.99,-12.99 2574,-157 2848,-157 2863,-142 C16.2@2863,-103.5
VB3: C8.2 U4.23 | length 947.7
  Top Layer w7.87: U4.23 2419.24,-60.24 2558,-199 2993,-199 3081.87,-110.13 C8.2
VBAT_8V4: C6.2 C14.2 C15.2 DS1.1 P1.3 Q1.2 Q1.3 Q1.4 Q1.9 Q2.2 Q2.3 Q2.4 Q2.9 Q9.2 Q9.3 Q9.4 Q9.9 R8.2 R13.1 R44.1 U1.5 U2.5 U4.27 | length 1285.5
  Top Layer w8: 1255,60 1255,139 1277,161 1277,164 1283,170 R13.1 ; U4.27 2327.5,2.76 2339.75,15 v2(2340,15) ; R8.2 3579,90 3585,96 3585,99 3609,123 3674.73,123 3698,146.27 3698,147 3746,195 3746,234 v6(3718,262)
  Bottom Layer w8: v2(2207,218) 2340,85 v2(2340,15) ; 3205,259 3208,262 v6(3718,262)
  other v4: 2667,201 2707,201 2894,201 2934,201 3105,201 3145,201 1055,265 1085,265 1115,265 1145,265
VIN: C3.2 C4.1 D1.1 L2.2 P2.2 U2.1 | length 645.4
  Top Layer w11.81: C3.2 878.16,235 L2.2 L2.2@911.72,254.84 ; U2.1 1012.03,19.37 D1.1 1020.53,214.47 980.16,254.84 L2.2@911.72,254.84 ; v4(935,205) 933.37,206.63 933.37,233.19 L2.2@911.72,254.84
  other v4: 855,205 895,205
VS3: C8.1 C9.1 P3.5 P3.6 Q1.10 R6.2 U4.21 | length 3025.8
  Top Layer w7.87: U4.21 2411.73,-91.73 2549,-229 3033,-229 v2(3142,-120) ; Q1.10@3053.17,184.33 3053.17,122.83 3081.87,94.13 3081.87,45 C8.1
  Bottom Layer w7.87: 2791.11,-1.89 2836,43 2994,43 3054,103 v2(3054,191) ; 2802.79,17.79 2836,51 2993,51 3045,103 ; v2@3084,24 3144,-36 3144,-118 v2(3142,-120)
  Bottom Layer w11.81: P3.6 2779,-1.89 ; P3.5 2791,17.79 ; 2825.31,40.31 2828,43 3005,43 3060,98 3060,136 ; 2836,43 2791.11,-1.89 ; v2@3060,201 3060,136 ; 2779,-1.89 2791.11,-1.89 ; 2779,-1.89 2791.11,-1.89 ; 2791,17.79 2802.79,17.79 ; 2791,17.79 2802.79,17.79 ; 2802.79,17.79 2836,51 2993,51 3045,103 3045,202 3059,202 3060,201.59 3060,136
  other v2: 3082,24 3053,170
pads on no net: P3.0 P3.0/2 U4.12 U4.13 U4.14 U4.15 U4.16 U4.17 U4.34 U4.35

## Polygon pours and split planes (outlines as drawn)
no net on Keep-Out Layer "W" (none): 256.21,-278.75 ccw(c270.72,-278.75) 270.72,-293.25 340.79,-293.25 340.79,-270.05 cw(c355.82,-270.05) 355.82,-255.02 469.32,-255.02 cw(c469.32,-271.91) 486.21,-271.91 486.21,-293.25 649.96,-293.25 649.96,-258.77 cw(c672.98,-266.47) 696,-258.77 696,-293.25 1599.85,-293.25 1599.85,-269.29 cw(c1615.4,-269.32) 1615.37,-253.77 1730.9,-253.77 cw(c1730.9,-268.67) 1745.79,-268.67 1745.79,-293.3 3708.08,-293.3 3709.08,-293.3 ccw(c3707.34,-133.03) 3755.33,-285.96 3827,-266.38 cw(c3923.68,-590.84) 3893.04,-253.67 3892.04,-253.67 3955.16,-252.63 ccw(c3958.35,-227.78) 3983.08,-231.79 3983.08,-210.33 cw(c3999.33,-210.33) 3999.33,-194.08 4149.75,-194.08 4149.75,-148.67 cw(c4169.43,-153) 4189.12,-148.67 4189.12,-194.29 4293.91,-194.29 ccw(c4291.6,-169.92) 4315.11,-176.74 4315.11,180.13 4298.6,196.64 3994.41,196.64 cw(c3994.41,209.02) 3982.04,209.02 3982.04,238.48 ccw(c3965.86,238.48) 3965.86,254.66 3903.29,254.66 cw(c3910.73,520.74) 3832.45,266.33 ccw(c3692.05,-53.41) 3724.95,294.25 1744.96,294.25 1744.96,268.35 cw(c1733.77,268.35) 1733.77,257.16 1614.77,257.16 cw(c1614.77,271.56) 1600.38,271.56 1600.38,294.14 485.79,294.14 485.79,271.08 cw(c469.79,271.08) 469.79,255.08 352.69,255.08 cw(c352.69,266.98) 340.79,266.98 340.79,294.25 233.92,294.25 233.92,150.5 cw(c221.84,150.5) 221.84,138.41 7.83,138.41 -2.43,128.15 -2.43,-112.73 9.34,-124.5 241.97,-124.5 cw(c241.97,-138.74) 256.21,-138.74
GND on Bottom Layer "W" (solid, pour order 39): 256.21,-278.75 ccw(c270.72,-278.75) 270.72,-293.25 340.79,-293.25 340.79,-270.05 cw(c355.82,-270.05) 355.82,-255.02 469.32,-255.02 cw(c469.32,-271.91) 486.21,-271.91 486.21,-293.25 649.96,-293.25 649.96,-258.77 cw(c672.98,-266.47) 696,-258.77 696,-293.25 1599.85,-293.25 1599.85,-269.29 cw(c1615.4,-269.32) 1615.37,-253.77 1730.9,-253.77 cw(c1730.9,-268.67) 1745.79,-268.67 1745.79,-293.3 3708.08,-293.3 3709.08,-293.3 ccw(c3707.34,-133.03) 3755.33,-285.96 3827,-266.38 cw(c3923.68,-590.84) 3893.04,-253.67 3892.04,-253.67 3955.16,-252.63 ccw(c3958.35,-227.78) 3983.08,-231.79 3983.08,-210.33 cw(c3999.33,-210.33) 3999.33,-194.08 4149.75,-194.08 4149.75,-148.67 cw(c4169.43,-153) 4189.12,-148.67 4189.12,-194.29 4293.91,-194.29 ccw(c4291.6,-169.92) 4315.11,-176.74 4315.11,180.13 4298.6,196.64 3994.41,196.64 cw(c3994.41,209.02) 3982.04,209.02 3982.04,238.48 ccw(c3965.86,238.48) 3965.86,254.66 3903.29,254.66 cw(c3910.73,520.74) 3832.45,266.33 ccw(c3692.05,-53.41) 3724.95,294.25 1744.96,294.25 1744.96,268.35 cw(c1733.77,268.35) 1733.77,257.16 1614.77,257.16 cw(c1614.77,271.56) 1600.38,271.56 1600.38,294.14 485.79,294.14 485.79,271.08 cw(c469.79,271.08) 469.79,255.08 352.69,255.08 cw(c352.69,266.98) 340.79,266.98 340.79,294.25 233.92,294.25 233.92,150.5 cw(c221.84,150.5) 221.84,138.41 7.83,138.41 -2.43,128.15 -2.43,-112.73 9.34,-124.5 241.97,-124.5 cw(c241.97,-138.74) 256.21,-138.74
VBAT_8V4 on Bottom Layer "W" (solid, pour order 35): 2617,241 2645,213 2645,184 2658,171 2721,171 2721,172 2736,187 2736,240 2730,246
VBAT_8V4 on Bottom Layer "W" (solid, pour order 33): 3074,226 3074,198 3098,174 3161,174 3178,191 3178,237 3180,239 3178,241 3090,241
VBAT_8V4 on Bottom Layer "W" (solid, pour order 32): 2862,227 2872,217 2872,193 2889,176 2941,176 2957,192 2957,229 2963,235 2958,240 2875,240
V on Bottom Layer "W" (solid, pour order 31): 2744,31 2791,31 2832,72 2832,145 2837,150 2856,150 2867,161 2867,199 2855,211 2820,211 2808,199 2808,85 2787,64 2744,64
VS3 on Bottom Layer "W" (solid, pour order 27): 2745,23 2750.21,17.79 2802.79,17.79 2802.79,9.79 2790,-3 2744,-3 2744,22
U on Bottom Layer "W" (solid, pour order 25): 2657,97 2776,97 2776,76 2775.15,76.85 2652.15,76.85
VBAT_8V4 on Bottom Layer "W" (solid, pour order 13): 1040,235 1030,245 1030,280 1040,290 1555,290 1600,245 1760,245 1800,285 3215,285 3225,275 3225,235 3215,225 2250,225 2220,195 2180,195 2150,225 1835,225 1805,195 1550,195 1510,235
VIN on Bottom Layer "W" (solid, pour order 4): 179,3 179,45 377,243 982,243 982,181.55 388.55,181.55 210,3
GND on Top Layer "W" (solid, pour order 40): 256.21,-278.75 ccw(c270.72,-278.75) 270.72,-293.25 340.79,-293.25 340.79,-270.05 cw(c355.82,-270.05) 355.82,-255.02 469.32,-255.02 cw(c469.32,-271.91) 486.21,-271.91 486.21,-293.25 649.96,-293.25 649.96,-258.77 cw(c672.98,-266.47) 696,-258.77 696,-293.25 1599.85,-293.25 1599.85,-269.29 cw(c1615.4,-269.32) 1615.37,-253.77 1730.9,-253.77 cw(c1730.9,-268.67) 1745.79,-268.67 1745.79,-293.3 3708.08,-293.3 3709.08,-293.3 ccw(c3707.34,-133.03) 3755.33,-285.96 3827,-266.38 cw(c3923.68,-590.84) 3893.04,-253.67 3892.04,-253.67 3955.16,-252.63 ccw(c3958.35,-227.78) 3983.08,-231.79 3983.08,-210.33 cw(c3999.33,-210.33) 3999.33,-194.08 4149.75,-194.08 4149.75,-148.67 cw(c4169.43,-153) 4189.12,-148.67 4189.12,-194.29 4293.91,-194.29 ccw(c4291.6,-169.92) 4315.11,-176.74 4315.11,180.13 4298.6,196.64 3994.41,196.64 cw(c3994.41,209.02) 3982.04,209.02 3982.04,238.48 ccw(c3965.86,238.48) 3965.86,254.66 3903.29,254.66 cw(c3910.73,520.74) 3832.45,266.33 ccw(c3692.05,-53.41) 3724.95,294.25 1744.96,294.25 1744.96,268.35 cw(c1733.77,268.35) 1733.77,257.16 1614.77,257.16 cw(c1614.77,271.56) 1600.38,271.56 1600.38,294.14 485.79,294.14 485.79,271.08 cw(c469.79,271.08) 469.79,255.08 352.69,255.08 cw(c352.69,266.98) 340.79,266.98 340.79,294.25 233.92,294.25 233.92,150.5 cw(c221.84,150.5) 221.84,138.41 7.83,138.41 -2.43,128.15 -2.43,-112.73 9.34,-124.5 241.97,-124.5 cw(c241.97,-138.74) 256.21,-138.74
PGND on Top Layer "W" (solid, pour order 38): 2959,84 2959,34 2968,25 2995,25 2997,27 2997,166 2989,174
PGND on Top Layer "W" (solid, pour order 37): 2741,192 2741,35 2750,26 2774,26 2781,33 2781,167
PGND on Top Layer "W" (solid, pour order 36): 2508,159 2508,46 2519,35 2545,35 2554,44 2556,44 2556,162 2549,169
PGND on Top Layer "W" (solid, pour order 24): 2741,238 2741,192 2774,159 2814,159 2814,237.56 2813.08,238.48
PGND on Top Layer "W" (solid, pour order 23): 3024,158 3024,260 3015,269 2445,269 2433,257 2433,180 2487,180 2508,159 2586,159 2586,238 2955,238 2959,234 2959,84 2963,80 2991,80 2991,149 3000,158
VBAT_8V4 on Top Layer "W" (solid, pour order 17): 2647,230 2725,230 2725,185 2699,159 2647,159
VBAT_8V4 on Top Layer "W" (solid, pour order 20): 2874,230 2952,230 2952,185 2926,159 2874,159
VBAT_8V4 on Top Layer "W" (solid, pour order 21): 3085,230 3163,230 3163,185 3137,159 3085,159
VBAT_8V4 on Top Layer "W" (solid, pour order 3): 488,-76 497,-85 641,-85 662,-106 662,-150 723,-150 753,-180 753,-270 769,-286 1171,-286 1186,-271 1186,-32 1204,-14 1224,-14 1255,17 1255,39 1264,48 1327,48 1327,75 1164,75 1164,284 1107,284 1107,-225 1088,-244 867,-244 847,-224 847,-113 868,-92 868,-43 766,-43 766,-78 764,-80 711,-80 699,-68 699,-41 691,-33 488,-33
VBAT_8V4 on Top Layer "W" (solid, pour order 12): 1107,284 1043,284 1039,280 1039,217 1043,213 1058,213 1107,164
DCDC_5V on Top Layer "W" (solid, pour order 14): 1319,-183 1319,-57 1568,-57 1580,-45 1580,35 1575,40 1485,40 1480,45 1480,75 1485,80 1620,80 1645,55 1645,-20 1665,-40 1665,-80 1650,-95 1565,-95 1545,-115 1415,-115 1390,-140 1390,-183
VBAT_8V4 on Top Layer "W" (solid, pour order 11): 1010,-181 1030,-181 1030,-220 1054,-244 986,-244 1010,-220
NetC10_2 on Top Layer "W" (solid, pour order 9): 560,175 560,95 635,20 750,20 765,5 765,-20 795,-20 795,4 865,4 866,3 866,39 804,39 777,66 705,66 690,81 649,81 615,115 615,175
GND on Top Layer "W" (solid, pour order 8): 894,27 894,-5 810,-5 809,-6 809,-35 810,-36 942,-36 947,-31 947,-12 940,-5 906,-5 906,34 905,35
NetD2_1 on Top Layer "W" (solid, pour order 7): 733,136 819,50 867,50 874,43 874,35 877,32 884,32 887,35 887,43 894,50 935,50 940,55 940,123 896,167 797,167 784,180 733,180
VIN on Top Layer "W" (solid, pour order 5): 730,260 775,260 800,285 950,285 950,180 830,180 800,210 730,210

## Silkscreen, mask and mechanical layers (free items; w line width, h text height)
Top Overlay:
  lines w1.97: 2063.04,615.23 2064.22,616.01
Bottom Overlay:
  drawing of 23 lines, arcs and shapes, not listed
  text "20240317" at 4030,11 h39.37
  text "LKS_074DO_V1.0" at 4160,-65 h39.37
Mechanical 15:
  lines w3.94: 4118,-307 4143,-282 4143,266
  lines w5: -92,0 9050,0 ; 1250,220 5495,220 ; 2813,-588 2813,552 ; 3590,-390 3590,310